# KiCad board typist.kicad_pcb
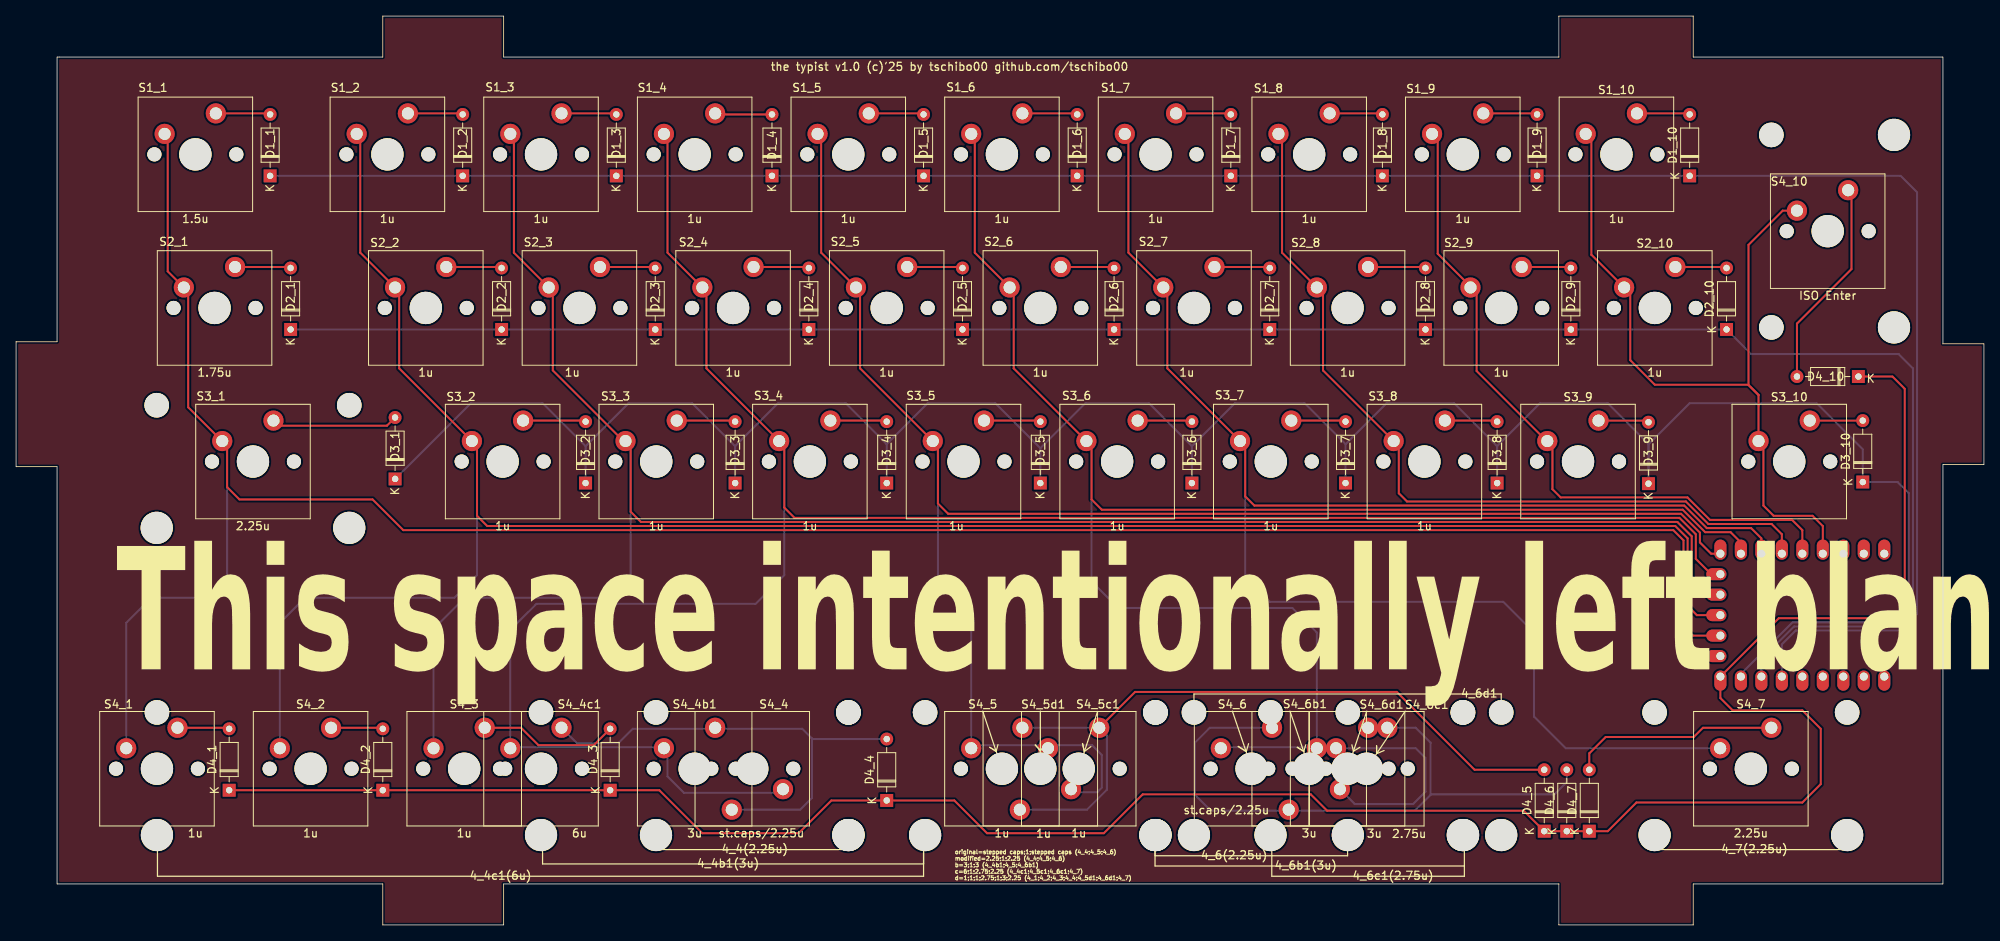
[diagram p0: board, top side]
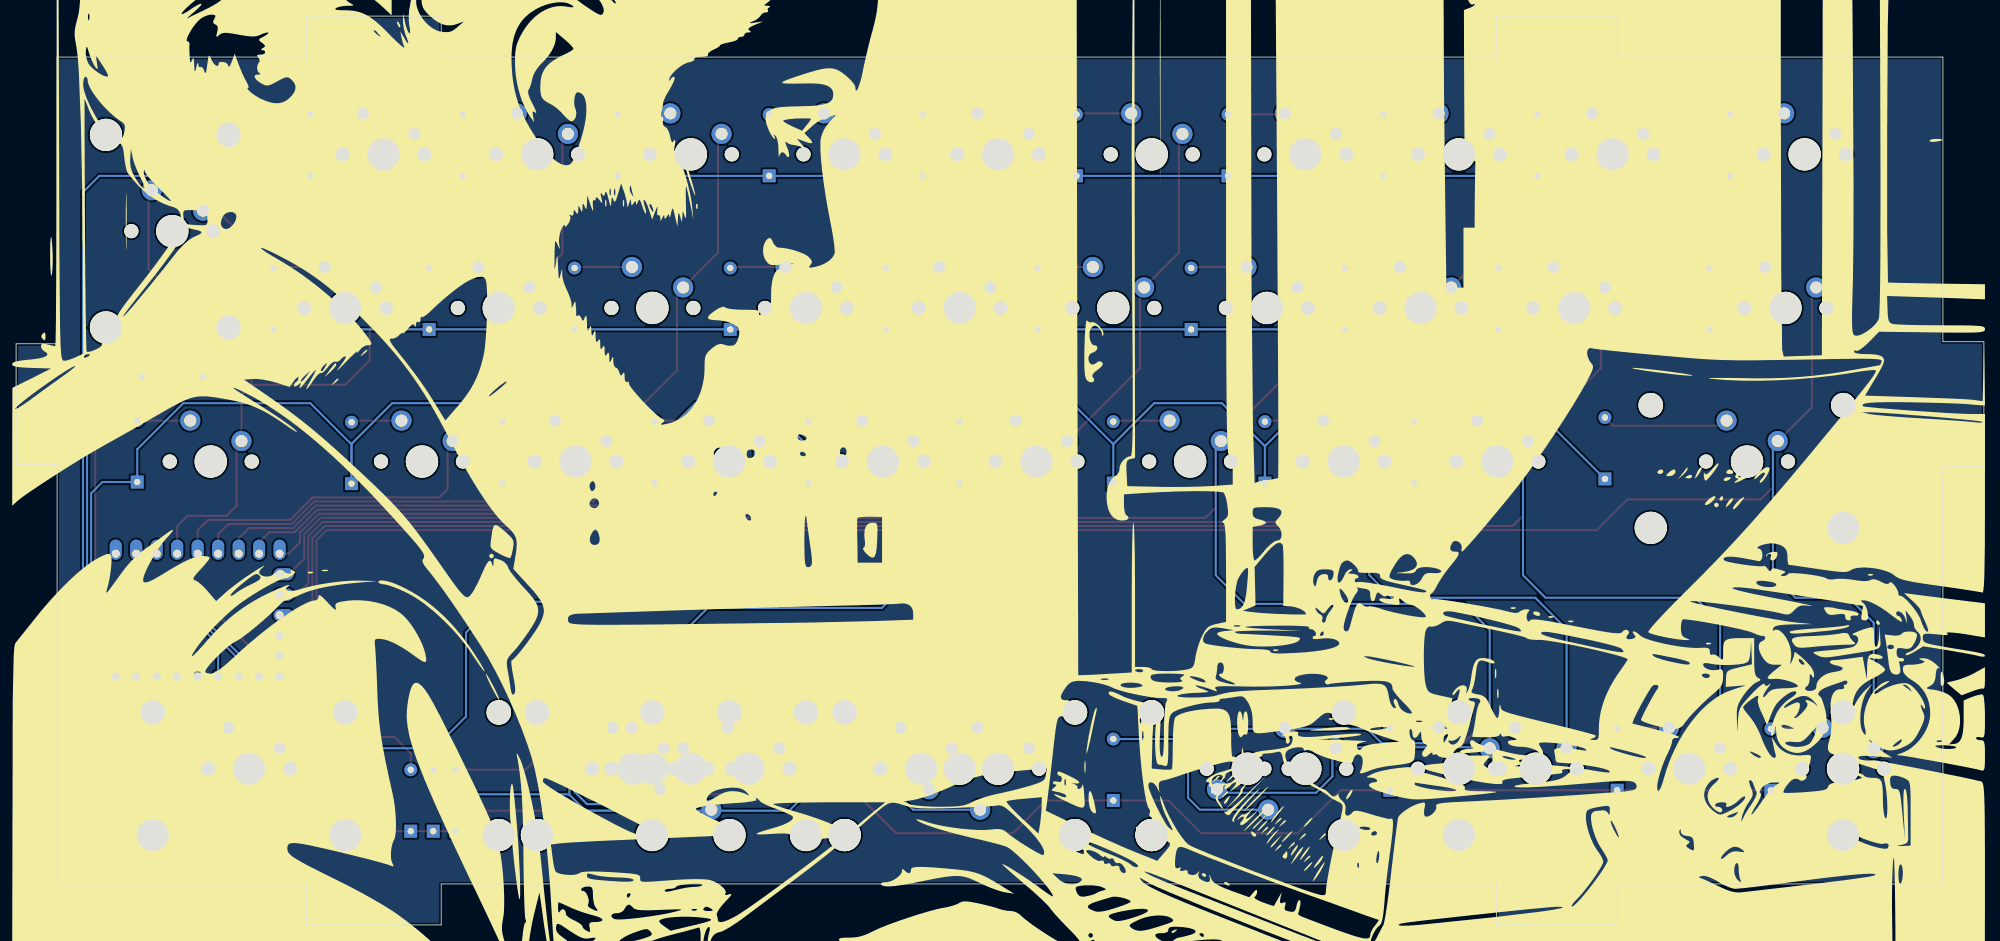
[diagram p1: board, bottom side, seen from below]

Outline 244 x 112.71 mm; copper layers: Top, Bottom. Coordinates in mm from the lower left corner of the outline.
Outline path: 0,72.33 5.08,72.33 5.08,107.63 45.47,107.63 45.47,112.71 60.45,112.71 60.45,107.63 191.29,107.63 191.29,112.71 207.96,112.71 207.96,107.63 238.92,107.63 238.92,72.07 244,72.07 244,57.09 238.92,57.09 238.92,5.08 207.96,5.08 207.96,0 191.29,0 191.29,5.08 60.45,5.08 60.45,0 45.47,0 45.47,5.08 5.08,5.08 5.08,56.83 0,56.83 0,72.33
Stack: Top 0.035mm / dielectric 1.51mm FR4 er 4.5 / Bottom 0.035mm

## Placement (name value [footprint] x y rotation side)
D1_1  Diode  [Diode_DO-35]  31.5 92.9 90 top
D1_2  Diode  [Diode_DO-35]  55.37 92.9 90 top
D1_3  Diode  [Diode_DO-35]  74.42 92.9 90 top
D1_4  Diode  [Diode_DO-35]  93.73 92.9 90 top
D1_5  Diode  [Diode_DO-35]  112.52 92.9 90 top
D1_6  Diode  [Diode_DO-35]  131.57 92.9 90 top
D1_7  Diode  [Diode_DO-35]  150.62 92.9 90 top
D1_8  Diode  [Diode_DO-35]  169.42 92.9 90 top
D1_9  Diode  [Diode_DO-35]  188.59 92.9 90 top
D1_10  Diode  [Diode_DO-35]  207.52 92.9 90 top
D2_1  Diode  [Diode_DO-35]  34.04 73.85 90 top
D2_2  Diode  [Diode_DO-35]  60.2 73.85 90 top
D2_3  Diode  [Diode_DO-35]  79.25 73.85 90 top
D2_4  Diode  [Diode_DO-35]  98.3 73.85 90 top
D2_5  Diode  [Diode_DO-35]  117.35 73.85 90 top
D2_6  Diode  [Diode_DO-35]  136.14 73.85 90 top
D2_7  Diode  [Diode_DO-35]  155.45 73.85 90 top
D2_8  Diode  [Diode_DO-35]  174.75 73.85 90 top
D2_9  Diode  [Diode_DO-35]  192.79 73.85 90 top
D2_10  Diode  [Diode_DO-35]  212.09 73.85 90 top
D3_1  Diode  [Diode_DO-35]  46.99 55.31 90 top
D3_2  Diode  [Diode_DO-35]  70.61 54.8 90 top
D3_3  Diode  [Diode_DO-35]  89.15 54.8 90 top
D3_4  Diode  [Diode_DO-35]  107.95 54.8 90 top
D3_5  Diode  [Diode_DO-35]  127 54.8 90 top
D3_6  Diode  [Diode_DO-35]  145.8 54.8 90 top
D3_7  Diode  [Diode_DO-35]  164.85 54.8 90 top
D3_8  Diode  [Diode_DO-35]  183.64 54.8 90 top
D3_9  Diode  [Diode_DO-35]  202.41 54.73 90 top
D3_10  Diode  [Diode_DO-35]  228.98 54.93 90 top
D4_1  Diode  [Diode_DO-35]  26.42 16.7 90 top
D4_2  Diode  [Diode_DO-35]  45.47 16.7 90 top
D4_3  Diode  [Diode_DO-35]  73.66 16.7 90 top
D4_4  Diode  [Diode_DO-35]  107.95 15.43 90 top
D4_5  Diode  [Diode_DO-35]  189.48 11.62 90 top
D4_6  Diode  [Diode_DO-35]  192.28 11.62 90 top
D4_7  Diode  [Diode_DO-35]  195.07 11.62 90 top
D4_10  Diode  [Diode_DO-35]  228.44 68.01 180 top
REF**  -  [Stabilizer_MX_2.00u]  153.19 19.37 0 top
REF**#2  -  [Stabilizer_MX_2.00u]  29.37 57.47 0 top
REF**#3  -  [Stabilizer_MX_6.00u]  65.09 19.37 0 top
REF**#4  -  [Stabilizer_MX_2.00u]  224.63 86.04 90 top
REF**#5  -  [Stabilizer_MX_2.00u]  91.28 19.37 0 top
REF**#6  -  [Stabilizer_MX_2.00u]  167.48 19.37 0 top
REF**#7  -  [Stabilizer_MX_3.00u]  165.1 19.37 0 top
REF**#8  -  [Stabilizer_MX_3.00u]  160.34 19.37 0 top
REF**#9  -  [Stabilizer_MX_2.00u]  215.11 19.37 0 top
REF**#10  -  [Stabilizer_MX_3.00u]  84.14 19.37 0 top
S1_1  1.5u  [MX_PCB_1.50u]  22.23 95.57 0 top
S1_2  1u  [MX_PCB_1.00u]  46.04 95.57 0 top
S1_3  1u  [MX_PCB_1.00u]  65.09 95.57 0 top
S1_4  1u  [MX_PCB_1.00u]  84.14 95.57 0 top
S1_5  1u  [MX_PCB_1.00u]  103.19 95.57 0 top
S1_6  1u  [MX_PCB_1.00u]  122.24 95.57 0 top
S1_7  1u  [MX_PCB_1.00u]  141.29 95.57 0 top
S1_8  1u  [MX_PCB_1.00u]  160.34 95.57 0 top
S1_9  1u  [MX_PCB_1.00u]  179.39 95.57 0 top
S1_10  1u  [MX_PCB_1.00u]  198.44 95.57 0 top
S2_1  1.75u  [MX_PCB_1.75u]  24.61 76.52 0 top
S2_2  1u  [MX_PCB_1.00u]  50.8 76.52 0 top
S2_3  1u  [MX_PCB_1.00u]  69.85 76.52 0 top
S2_4  1u  [MX_PCB_1.00u]  88.9 76.52 0 top
S2_5  1u  [MX_PCB_1.00u]  107.95 76.52 0 top
S2_6  1u  [MX_PCB_1.00u]  127 76.52 0 top
S2_7  1u  [MX_PCB_1.00u]  146.05 76.52 0 top
S2_8  1u  [MX_PCB_1.00u]  165.1 76.52 0 top
S2_9  1u  [MX_PCB_1.00u]  184.15 76.52 0 top
S2_10  1u  [MX_PCB_1.00u]  203.2 76.52 0 top
S3_1  2.25u  [MX_PCB_2.25u]  29.37 57.47 0 top
S3_2  1u  [MX_PCB_1.00u]  60.32 57.47 0 top
S3_3  1u  [MX_PCB_1.00u]  79.38 57.47 0 top
S3_4  1u  [MX_PCB_1.00u]  98.43 57.47 0 top
S3_5  1u  [MX_PCB_1.00u]  117.47 57.47 0 top
S3_6  1u  [MX_PCB_1.00u]  136.53 57.47 0 top
S3_7  1u  [MX_PCB_1.00u]  155.57 57.47 0 top
S3_8  1u  [MX_PCB_1.00u]  174.62 57.47 0 top
S3_9  1u  [MX_PCB_1.00u]  193.67 57.47 0 top
S3_10  1.75u  [MX_PCB_1.75u]  219.87 57.47 0 top
S4_1  1u  [MX_PCB_1.00u]  17.46 19.37 0 top
S4_2  1u  [MX_PCB_1.00u]  36.51 19.37 0 top
S4_3  1u  [MX_PCB_1.00u]  55.56 19.37 0 top
S4_4  st.caps/2.25u  [MX_PCB_1.25u]  91.28 19.37 180 top
S4_4b1  3u  [MX_PCB_3.00u]  84.14 19.37 0 top
S4_4c1  6u  [MX_PCB_6.00u]  65.09 19.37 0 top
S4_5  1u  [MX_PCB_1.00u]  122.24 19.37 0 top
S4_5c1  1u  [MX_PCB_1.00u]  131.76 19.37 0 top
S4_5d1  1u  [MX_PCB_1.00u]  127 19.37 180 top
S4_6  st.caps/2.25u  [MX_PCB_1.25u]  153.19 19.37 0 top
S4_6b1  3u  [MX_PCB_3.00u]  160.34 19.37 180 top
S4_6c1  2.75u  [MX_PCB_2.75u]  167.48 19.37 0 top
S4_6d1  3u  [MX_PCB_3.00u]  165.1 19.37 0 top
S4_7  2.25u  [MX_PCB_2.25u]  215.11 19.37 0 top
S4_10  ISO Enter  [MX_PCB_ISOEnter]  224.63 86.04 0 top
U1  -  [RP2040_Zero]  221.49 38.42 270 top

## Library data of the parts
D1_1-D1_10 D2_1-D2_10 D3_1-D3_10 D4_1-D4_7 D4_10 = -: Description: 1N4148 (DO-35) or 1N4148W (SOD-123); Sim.Device: D; Sim.Pins: 1=K 2=A
S1_1-S1_10 S2_1-S2_10 S3_1-S3_10 S4_1-S4_4 S4_4b1 S4_4c1 S4_5 S4_5c1 S4_5d1 S4_6 S4_6b1 S4_6c1 S4_6d1 S4_7 S4_10 = -: Description: Push button switch, normally open, two pins, 45° tilted

## Footprints (pads in the part's own frame, mm; a bottom-side part is the same pattern mirrored in y, then rotated)
Diode_DO-35
  rect 1.6x1.6 hole 0.8: 1(0,0)
  oval 1.6x1.6 hole 0.8: 2(7.62,0)
MX_PCB_1.00u
  round 1.75 hole 1.75 unplated: (-5.08,0) (5.08,0)
  round 4 hole 4 unplated: (0,0)
  round 2.5 hole 1.5: 1(-3.81,2.54) 2(2.54,5.08)
MX_PCB_1.25u
  round 1.75 hole 1.75 unplated: (-5.08,0) (5.08,0)
  round 4 hole 4 unplated: (0,0)
  round 2.5 hole 1.5: 1(-3.81,2.54) 2(2.54,5.08)
MX_PCB_1.50u
  round 1.75 hole 1.75 unplated: (-5.08,0) (5.08,0)
  round 4 hole 4 unplated: (0,0)
  round 2.5 hole 1.5: 1(-3.81,2.54) 2(2.54,5.08)
MX_PCB_1.75u
  round 1.75 hole 1.75 unplated: (-5.08,0) (5.08,0)
  round 4 hole 4 unplated: (0,0)
  round 2.5 hole 1.5: 1(-3.81,2.54) 2(2.54,5.08)
MX_PCB_2.25u
  round 1.75 hole 1.75 unplated: (-5.08,0) (5.08,0)
  round 4 hole 4 unplated: (0,0)
  round 2.5 hole 1.5: 1(-3.81,2.54) 2(2.54,5.08)
MX_PCB_2.75u
  round 1.75 hole 1.75 unplated: (-5.08,0) (5.08,0)
  round 4 hole 4 unplated: (0,0)
  round 2.5 hole 1.5: 1(-3.81,2.54) 2(2.54,5.08)
MX_PCB_3.00u
  round 1.75 hole 1.75 unplated: (-5.08,0) (5.08,0)
  round 4 hole 4 unplated: (0,0)
  round 2.5 hole 1.5: 1(-3.81,2.54) 2(2.54,5.08)
MX_PCB_6.00u
  round 1.75 hole 1.75 unplated: (-5.08,0) (5.08,0)
  round 4 hole 4 unplated: (0,0)
  round 2.5 hole 1.5: 1(-3.81,2.54) 2(2.54,5.08)
MX_PCB_ISOEnter
  round 1.75 hole 1.75 unplated: (-5.08,0) (5.08,0)
  round 4 hole 4 unplated: (0,0)
  round 2.5 hole 1.5: 1(-3.81,2.54) 2(2.54,5.08)
RP2040_Zero
  oval 2.5x1.5 hole 1: 1(7.62,10.16) 2(7.62,7.62) 3(7.62,5.08) 4(7.62,2.54) 5(7.62,0) 6(7.62,-2.54) 7(7.62,-5.08) 8(7.62,-7.62) 9(7.62,-10.16) 15(-7.62,-10.16) 16(-7.62,-7.62) 17(-7.62,-5.08) 18(-7.62,-2.54) 19(-7.62,0) 20(-7.62,2.54) 21(-7.62,5.08) 22(-7.62,7.62) 23(-7.62,10.16)
  oval 1.5x2.5 hole 1: 10(5.08,-10.16) 11(2.54,-10.16) 12(0,-10.16) 13(-2.54,-10.16) 14(-5.08,-10.16)
Stabilizer_MX_2.00u
  round 3.048 hole 3.048 unplated: (-11.938,6.985) (11.938,6.985)
  round 3.988 hole 3.988 unplated: (-11.938,-8.225) (11.938,-8.225)
Stabilizer_MX_3.00u
  round 3.048 hole 3.048 unplated: (-19.05,6.985) (19.05,6.985)
  round 3.988 hole 3.988 unplated: (-19.05,-8.225) (19.05,-8.225)
Stabilizer_MX_6.00u
  round 3.048 hole 3.048 unplated: (-47.625,6.985) (47.625,6.985)
  round 3.988 hole 3.988 unplated: (-47.625,-8.225) (47.625,-8.225)

## Nets
gnd: U1.22
c1: S1_1.1 S2_1.1 S3_1.1 S4_1.1 U1.11
c2: S1_2.1 S2_2.1 S3_2.1 S4_2.1 U1.12
c3: S1_3.1 S2_3.1 S3_3.1 S4_3.1 U1.13
c4: S1_4.1 S2_4.1 S3_4.1 S4_4.1 S4_4b1.1 S4_4c1.1 U1.14
c5: S1_5.1 S2_5.1 S3_5.1 S4_5.1 S4_5c1.1 S4_5d1.1 U1.15
c6: S1_6.1 S2_6.1 S3_6.1 S4_6.1 S4_6b1.1 S4_6c1.1 S4_6d1.1 U1.16
c7: S1_7.1 S2_7.1 S3_7.1 S4_7.1 U1.17
c8: S1_8.1 S2_8.1 S3_8.1 U1.18
c9: S1_9.1 S2_9.1 S3_9.1 U1.19
C10: S1_10.1 S2_10.1 S3_10.1 S4_10.1 U1.20
r1: D1_1.1 D1_2.1 D1_3.1 D1_4.1 D1_5.1 D1_6.1 D1_7.1 D1_8.1 D1_9.1 D1_10.1 U1.6
r2: D2_1.1 D2_2.1 D2_3.1 D2_4.1 D2_5.1 D2_6.1 D2_7.1 D2_8.1 D2_9.1 D2_10.1 U1.7
r3: D3_1.1 D3_2.1 D3_3.1 D3_4.1 D3_5.1 D3_6.1 D3_7.1 D3_8.1 D3_9.1 D3_10.1 U1.8
r4: D4_1.1 D4_2.1 D4_3.1 D4_4.1 D4_5.1 D4_6.1 D4_7.1 D4_10.1 U1.9
Net-(D1_1-A): D1_1.2 S1_1.2
Net-(D1_2-A): D1_2.2 S1_2.2
Net-(D1_3-A): D1_3.2 S1_3.2
Net-(D1_4-A): D1_4.2 S1_4.2
Net-(D1_5-A): D1_5.2 S1_5.2
Net-(D1_6-A): D1_6.2 S1_6.2
Net-(D1_7-A): D1_7.2 S1_7.2
Net-(D1_8-A): D1_8.2 S1_8.2
Net-(D1_9-A): D1_9.2 S1_9.2
Net-(D1_10-A): D1_10.2 S1_10.2
Net-(D2_1-A): D2_1.2 S2_1.2
Net-(D2_2-A): D2_2.2 S2_2.2
Net-(D2_3-A): D2_3.2 S2_3.2
Net-(D2_4-A): D2_4.2 S2_4.2
Net-(D2_5-A): D2_5.2 S2_5.2
Net-(D2_6-A): D2_6.2 S2_6.2
Net-(D2_7-A): D2_7.2 S2_7.2
Net-(D2_8-A): D2_8.2 S2_8.2
Net-(D2_9-A): D2_9.2 S2_9.2
Net-(D2_10-A): D2_10.2 S2_10.2
Net-(D3_1-A): D3_1.2 S3_1.2
Net-(D3_2-A): D3_2.2 S3_2.2
Net-(D3_3-A): D3_3.2 S3_3.2
Net-(D3_4-A): D3_4.2 S3_4.2
Net-(D3_5-A): D3_5.2 S3_5.2
Net-(D3_6-A): D3_6.2 S3_6.2
Net-(D3_7-A): D3_7.2 S3_7.2
Net-(D3_8-A): D3_8.2 S3_8.2
Net-(D3_9-A): D3_9.2 S3_9.2
Net-(D3_10-A): D3_10.2 S3_10.2
Net-(D4_1-A): D4_1.2 S4_1.2
Net-(D4_2-A): D4_2.2 S4_2.2
Net-(D4_3-A): D4_3.2 S4_3.2
Net-(D4_4-A): D4_4.2 S4_4.2 S4_4b1.2 S4_4c1.2
Net-(D4_5-A): D4_5.2 S4_5.2 S4_5c1.2 S4_5d1.2
Net-(D4_6-A): D4_6.2 S4_6.2 S4_6b1.2 S4_6c1.2 S4_6d1.2
Net-(D4_7-A): D4_7.2 S4_7.2
Net-(D4_10-A): D4_10.2 S4_10.2

Pads without a net: U1 1 2 3 4 5 10 21 23

## Routing (per net, layer and track width the routed paths; a pad name or vN(x,y) marks a point on that pad's centre or on a via; arc(x,y) is an arc through that point)
c1: length 294
  Top w0.25: S1_1.1 18.8,97.73 18.8,81.06 21.34,78.52 21.34,64.2 25.53,60.01 S3_1.1 26.16,59.4 26.16,54.29 27.69,52.77 44.2,52.77 48.01,48.96 205.49,48.96 206.76,47.69 206.76,37.02 207.9,35.88 U1.11
  Bottom w0.25: S3_1.1 26.16,59.4 26.16,43.37 23.37,40.58 16.76,40.58 13.65,37.46 S4_1.1
  Bottom w0.254: 18.8,97.73 S1_1.1
c2: length 277.1
  Top w0.25: U1.12 208.41,38.42 207.26,39.56 207.26,47.94 205.73,49.47 58.41,49.47 57.15,50.74 57.15,59.37 47.5,69.02 47.5,78.55 42.67,83.38 42.67,97.66 S1_2.1
  Bottom w0.25: S4_2.1 32.7,37.46 35.81,40.58 54.36,40.58 57.15,43.37 57.15,59.37 56.52,60.01
c3: length 254.9
  Top w0.25: S1_3.1 61.72,97.66 61.72,83.38 66.55,78.55 66.55,68.77 75.31,60.01 S3_3.1 76.2,59.37 76.2,51.24 77.47,49.97 205.99,49.97 207.77,48.2 207.77,42.35 209.17,40.96 U1.13
  Bottom w0.25: S3_3.1 76.2,59.37 76.2,43.37 73.41,40.58 55.63,40.58 51.75,36.7 S4_3.1
c4: length 280.4
  Top w0.25: U1.14 210.19,43.5 208.28,45.4 208.28,48.45 206.25,50.48 96.52,50.48 95.25,51.75 95.25,59.37 S3_4.1 85.6,69.02 85.6,78.55 80.77,83.38 80.77,97.66 S1_4.1
  Bottom w0.25: S3_4.1 95.25,59.37 95.25,43.37 91.69,39.81 64.52,39.81 61.28,36.58 S4_4c1.1 61.4,22.03 80.2,22.03 S4_4b1.1 80.77,21.46 80.77,18.41 82.8,16.38 94.65,16.38 95.09,16.83
c5: length 219.2
  Top w0.25: U1.15 210.19,46.04 208.79,47.43 208.79,48.65 206.45,50.99 115.57,50.99 114.3,52.26 114.3,59.37 S3_5.1 104.65,69.02 104.65,78.55 99.82,83.38 99.82,97.66 S1_5.1
  Bottom w0.25: 114.05,59.63 113.28,59.63 S3_5.1 114.3,59.37 114.3,43.37 118.43,39.24 S4_5.1 118.81,22.29 127.57,22.29 S4_5c1.1 128.33,22.29 133.41,22.29 134.62,21.08 134.62,17.02 134.05,16.45 131.19,16.45 130.81,16.83
c6: length 240.4
  Top w0.25: U1.16 213.87,47.43 212.6,48.7 209.44,48.7 206.65,51.49 134.63,51.49 133.35,52.77 133.35,59.37 S3_6.1 123.7,69.02 123.7,78.55 118.87,83.38 118.87,97.66 S1_6.1
  Bottom w0.25: S4_6d1.1 161.16,22.03 149.67,22.03 149.54,21.91 S4_6.1 ; S4_6d1.1 161.29,36.26 158.24,39.31 136.65,39.31 133.35,42.61 133.35,59.37 S3_6.1 ; S4_6d1.1 S4_6c1.1 173.55,21.91 174.75,20.7 174.75,16.51 173.23,14.99 165.99,14.99 164.15,16.83
c7: length 210.4
  Top w0.25: 211.14,21.75 S4_7.1 ; U1.17 216.41,47.94 215.14,49.21 209.64,49.21 206.85,52.01 153.54,52.01 152.4,53.15 152.4,59.37 S3_7.1 142.75,69.02 142.75,78.55 137.92,83.38 137.92,97.66 S1_7.1
  Bottom w0.25: S3_7.1 152.4,59.37 152.4,43.12 155.45,40.07 184.4,40.07 188.21,36.26 188.21,25.84 192.15,21.91 S4_7.1
c8: length 102.8
  Top w0.25: U1.18 218.95,48.45 217.68,49.72 209.84,49.72 207.04,52.51 172.47,52.51 171.45,53.53 171.45,59.37 S3_8.1 162.05,68.77 162.05,78.3 156.97,83.38 156.97,97.66 S1_8.1
c9: length 86.3
  Top w0.25: S1_9.1 176.28,97.41 176.28,83.25 180.34,79.18 180.34,79.06 181.1,78.3 181.1,68.69 189.79,60.01 S3_9.1 190.5,59.37 190.5,54.04 191.52,53.02 207.24,53.02 210.04,50.23 220.22,50.23 221.49,48.96 U1.19
C10: length 100.8
  Top w0.25: 216.06,65.72 S3_10.1 216.66,59.4 216.66,52.01 217.93,50.74 222.76,50.74 224.03,49.47 U1.20 ; 216.06,65.72 214.78,66.99 203.2,66.99 200.15,70.04 200.15,78.3 195.33,83.12 195.33,97.41 S1_10.1 ; 216.06,65.72 214.81,66.97 214.81,84.34 219.05,88.58 S4_10.1
r1: length 280.7
  Bottom w0.25: D1_1.1 D1_2.1 D1_3.1 D1_4.1 D1_5.1 D1_6.1 D1_7.1 D1_8.1 D1_9.1 D1_10.1 233.68,92.9 235.71,90.87 235.71,38.54 233.68,36.51 220.67,36.51 218.95,34.79 U1.6 ; 112.74,93.19 112.52,93.41 112.01,92.9
r2: length 256.8
  Bottom w0.25: D2_10.1 215.14,70.8 233.43,70.8 235.2,69.02 235.2,38.8 233.43,37.02 220.47,37.02 216.41,32.96 U1.7
  Bottom w0.254: D2_10.1 D2_9.1 D2_8.1 D2_7.1 D2_6.1 D2_5.1 D2_4.1 D2_3.1 D2_2.1 D2_1.1
r3: length 314.9
  Bottom w0.25: U1.8 213.87,31.12 220.27,37.53 233.17,37.53 234.7,39.05 234.7,53.53 233.3,54.93 D3_10.1 228.98,58.99 223.27,64.71 207.52,64.71 202.41,59.6 D3_9.1 202.61,54.93
  Bottom w0.254: 107.95,59.63 113.03,64.71 121.41,64.71 127,59.12 ; 107.95,59.63 D3_4.1 ; 107.95,59.63 102.87,64.71 94.49,64.71 89.15,59.37 ; 127,59.12 D3_5.1 ; 127,59.12 132.59,64.71 140.46,64.71 145.8,59.37 ; 164.85,59.63 D3_7.1 ; 164.85,59.63 159.77,64.71 151.13,64.71 145.8,59.37 ; 164.85,59.63 169.93,64.71 178.31,64.71 183.64,59.37 ; 202.34,54.8 D3_9.1 202.41,59.65 197.36,64.71 188.98,64.71 183.64,59.37 ; 89.15,59.37 D3_3.1 ; 89.15,59.37 83.82,64.71 75.95,64.71 70.61,59.37 ; 70.61,59.37 65.28,64.71 56.39,64.71 D3_1.1 ; 70.61,59.37 D3_2.1 ; 145.8,59.37 D3_6.1 ; 183.64,59.37 D3_8.1
r4: length 292.7
  Top w0.25: D4_10.1 232.66,68.01 234.19,66.48 234.19,39.31 232.92,38.04 218.57,38.04 U1.9 211.33,28.13 212.85,26.61 221.49,26.61 223.77,24.32 223.77,17.46 221.49,15.18 200.91,15.18 197.36,11.62 D4_7.1 D4_6.1 D4_5.1 186.94,14.16 162.56,14.16 160.53,16.19 139.7,16.19 134.87,11.37 120.4,11.37 116.33,15.43 D4_4.1 101.09,15.43 97.03,11.37 85.09,11.37 79.76,16.7 D4_3.1 D4_2.1 D4_1.1
Net-(D1_1-A): length 6.8
  Top w0.254: S1_1.2 31.37,100.65 D1_1.2
Net-(D1_2-A): length 6.8
  Top w0.254: S1_2.2 55.24,100.65 D1_2.2
Net-(D1_3-A): length 6.8
  Top w0.254: D1_3.2 74.29,100.65 S1_3.2
Net-(D1_4-A): length 7.1
  Top w0.254: S1_4.2 86.8,100.52 D1_4.2
Net-(D1_5-A): length 7
  Top w0.254: 105.85,100.52 S1_5.2 112.39,100.65 D1_5.2
Net-(D1_6-A): length 6.8
  Top w0.25: D1_6.2 131.44,100.65 S1_6.2
Net-(D1_7-A): length 6.8
  Top w0.25: D1_7.2 150.5,100.65 S1_7.2
Net-(D1_8-A): length 6.6
  Top w0.25: S1_8.2 169.29,100.65 D1_8.2
Net-(D1_9-A): length 6.9
  Top w0.254: 181.8,100.52 S1_9.2 188.47,100.65 D1_9.2
Net-(D1_10-A): length 6.6
  Top w0.25: D1_10.2 207.39,100.65 S1_10.2
Net-(D2_1-A): length 6.9
  Top w0.254: S2_1.2 33.91,81.6 D2_1.2
Net-(D2_2-A): length 6.9
  Top w0.254: S2_2.2 60.07,81.6 D2_2.2
Net-(D2_3-A): length 6.9
  Top w0.254: S2_3.2 79.12,81.6 D2_3.2
Net-(D2_4-A): length 6.9
  Top w0.254: S2_4.2 98.17,81.6 D2_4.2
Net-(D2_5-A): length 6.9
  Top w0.254: D2_5.2 117.22,81.6 S2_5.2
Net-(D2_6-A): length 6.7
  Top w0.254: S2_6.2 136.02,81.6 D2_6.2
Net-(D2_7-A): length 6.9
  Top w0.254: D2_7.2 155.32,81.6 S2_7.2
Net-(D2_8-A): length 7.2
  Top w0.254: D2_8.2 174.62,81.6 S2_8.2
Net-(D2_9-A): length 6.1
  Top w0.254: D2_9.2 192.66,81.6 S2_9.2
Net-(D2_10-A): length 6.4
  Top w0.25: D2_10.2 211.96,81.6 S2_10.2
Net-(D3_1-A): length 15.8
  Top w0.254: D3_1.2 45.97,61.91 32.54,61.91 S3_1.2
Net-(D3_2-A): length 7.8
  Top w0.254: D3_2.2 70.49,62.55 S3_2.2
Net-(D3_3-A): length 7.3
  Top w0.254: D3_3.2 89.03,62.55 S3_3.2
Net-(D3_4-A): length 7
  Top w0.254: D3_4.2 107.82,62.55 100.97,62.55
Net-(D3_5-A): length 7
  Top w0.254: S3_5.2 126.87,62.55 D3_5.2
Net-(D3_6-A): length 6.8
  Top w0.254: D3_6.2 145.67,62.55 S3_6.2
Net-(D3_7-A): length 6.8
  Top w0.254: S3_7.2 164.72,62.55 D3_7.2
Net-(D3_8-A): length 6.5
  Top w0.254: D3_8.2 183.51,62.55 S3_8.2
Net-(D3_9-A): length 6.3
  Top w0.25: 196.22,62.55 202.21,62.55 D3_9.2
Net-(D3_10-A): length 6.6
  Top w0.25: S3_10.2 D3_10.2
Net-(D4_1-A): length 6.5
  Top w0.25: S4_1.2 26.29,24.45 D4_1.2
Net-(D4_2-A): length 6.5
  Top w0.25: S4_2.2 45.34,24.45 D4_2.2
Net-(D4_3-A): length 17.3
  Top w0.25: S4_3.2 62.61,24.45 64.77,22.29 71.63,22.29 D4_3.2
Net-(D4_4-A): length 60.4
  Bottom w0.25: 98.68,23.11 98.74,23.05 D4_4.2 ; 98.68,23.11 98.68,15.75 97.22,14.29 S4_4.2 ; 98.68,23.11 97.47,24.32 86.8,24.32 S4_4b1.2 86.55,24.32 76.45,24.32 74.68,22.54 69.53,22.54 S4_4c1.2
Net-(D4_5-A): length 90.4
  Top w0.25: D4_5.2 180.85,19.24 171.2,28.89 138.75,28.89 S4_5c1.2
  Bottom w0.25: S4_5d1.2 132.78,14.29 135.25,16.76 135.25,23.49 S4_5c1.2 S4_5.2
Net-(D4_6-A): length 81.8
  Bottom w0.25: S4_6.2 148.02,24.45 146.18,22.61 146.18,16.13 148.15,14.16 157.67,14.16 S4_6b1.2 157.92,14.16 173.42,14.16 175.39,16.13 ; 175.39,16.13 175.39,22.61 173.55,24.45 S4_6c1.2 S4_6d1.2 ; 175.39,16.13 175.45,16.19 190.75,16.19 192.28,17.72 D4_6.2
Net-(D4_7-A): length 25.9
  Top w0.25: D4_7.2 195.07,21.27 197.1,23.3 208.03,23.3 209.17,24.45 S4_7.2
Net-(D4_10-A): length 26.1
  Top w0.25: S4_10.2 227.58,90.71 227.58,81.34 220.82,74.58 D4_10.2

## Copper pours and planes (outline as drawn; the poured copper is in the pictures)
(no net) on Top, Bottom: 246.63,-5.14 246.63,118.55 227.08,119.06 3.05,119.06 -0.76,115.25 -0.76,14.41 -0.25,-5.14

## Text on the board
F.Silkscreen: original=stepped caps;1;stepped caps (4_4;4_5;4_6) / modified=2.25;1;2.25 (4_4;4_5;4_6) / b=3;1;3 (4_4b1;4_5;4_6b1) / c=6;1;2.75;2.25 (4_4c1;4_5c1;4_6c1;4_7) / d=1;1;1;2.75;1;3;2.25 (4_1;4_2;4_3;4_4;4_5d1;4_6d1;4_7) | 4_4c1(6u) | 4_4b1(3u) | 4_4(2.25u) | the typist v1.0 (c)'25 by tschibo00 github.com/tschibo00 | 4_6(2.25u) | 4_6b1(3u) | 4_6c1(2.75u) | 4_6d1 | 4_7(2.25u) | This space intentionally left blank
